# Altium PCB PCB1.PcbDoc
Units mm, origin at the board's own origin, x right, y up, seen from the top; angles counter-clockwise.
Board outline 199.9 x 149.99 mm, 2 copper layers (Top Layer, Bottom Layer); 61 components, 76 nets, 331 pads, 64 vias.
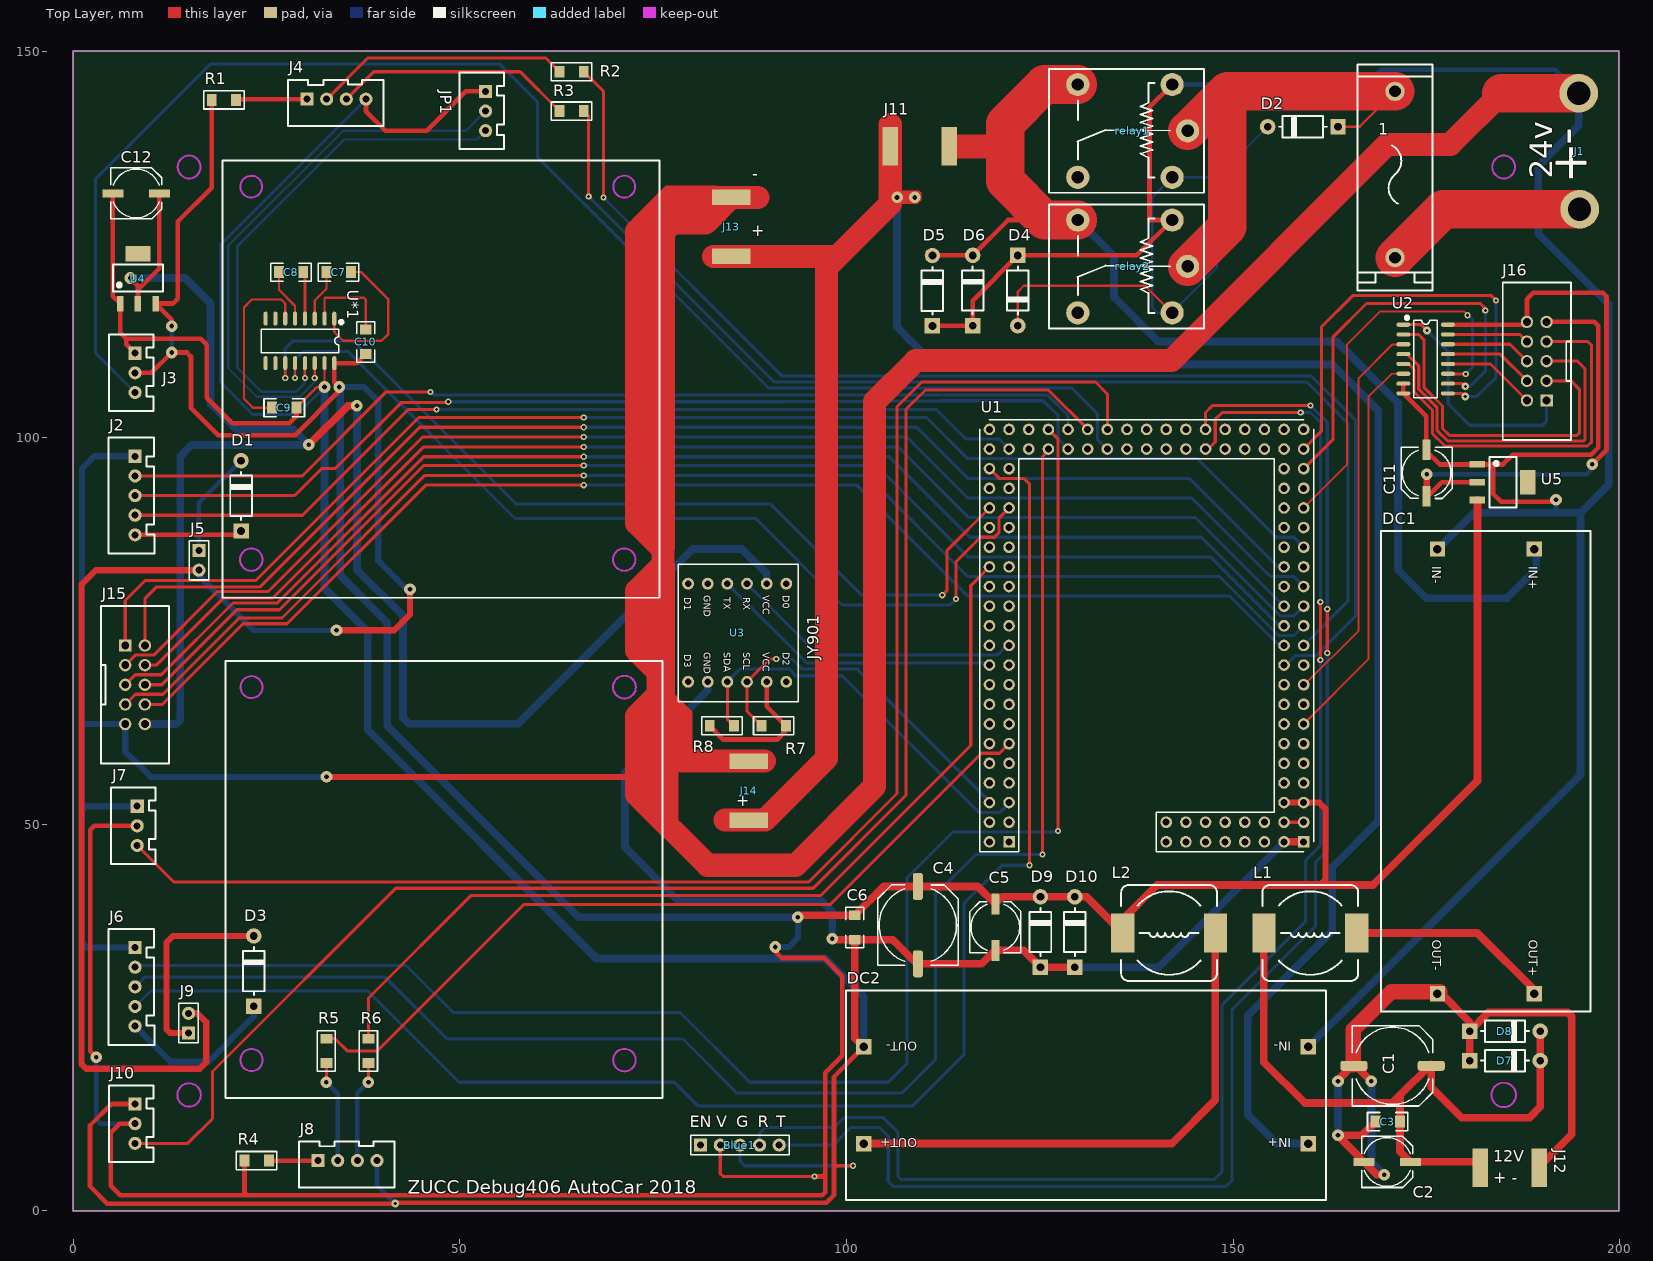
[diagram p0: Top Layer view]
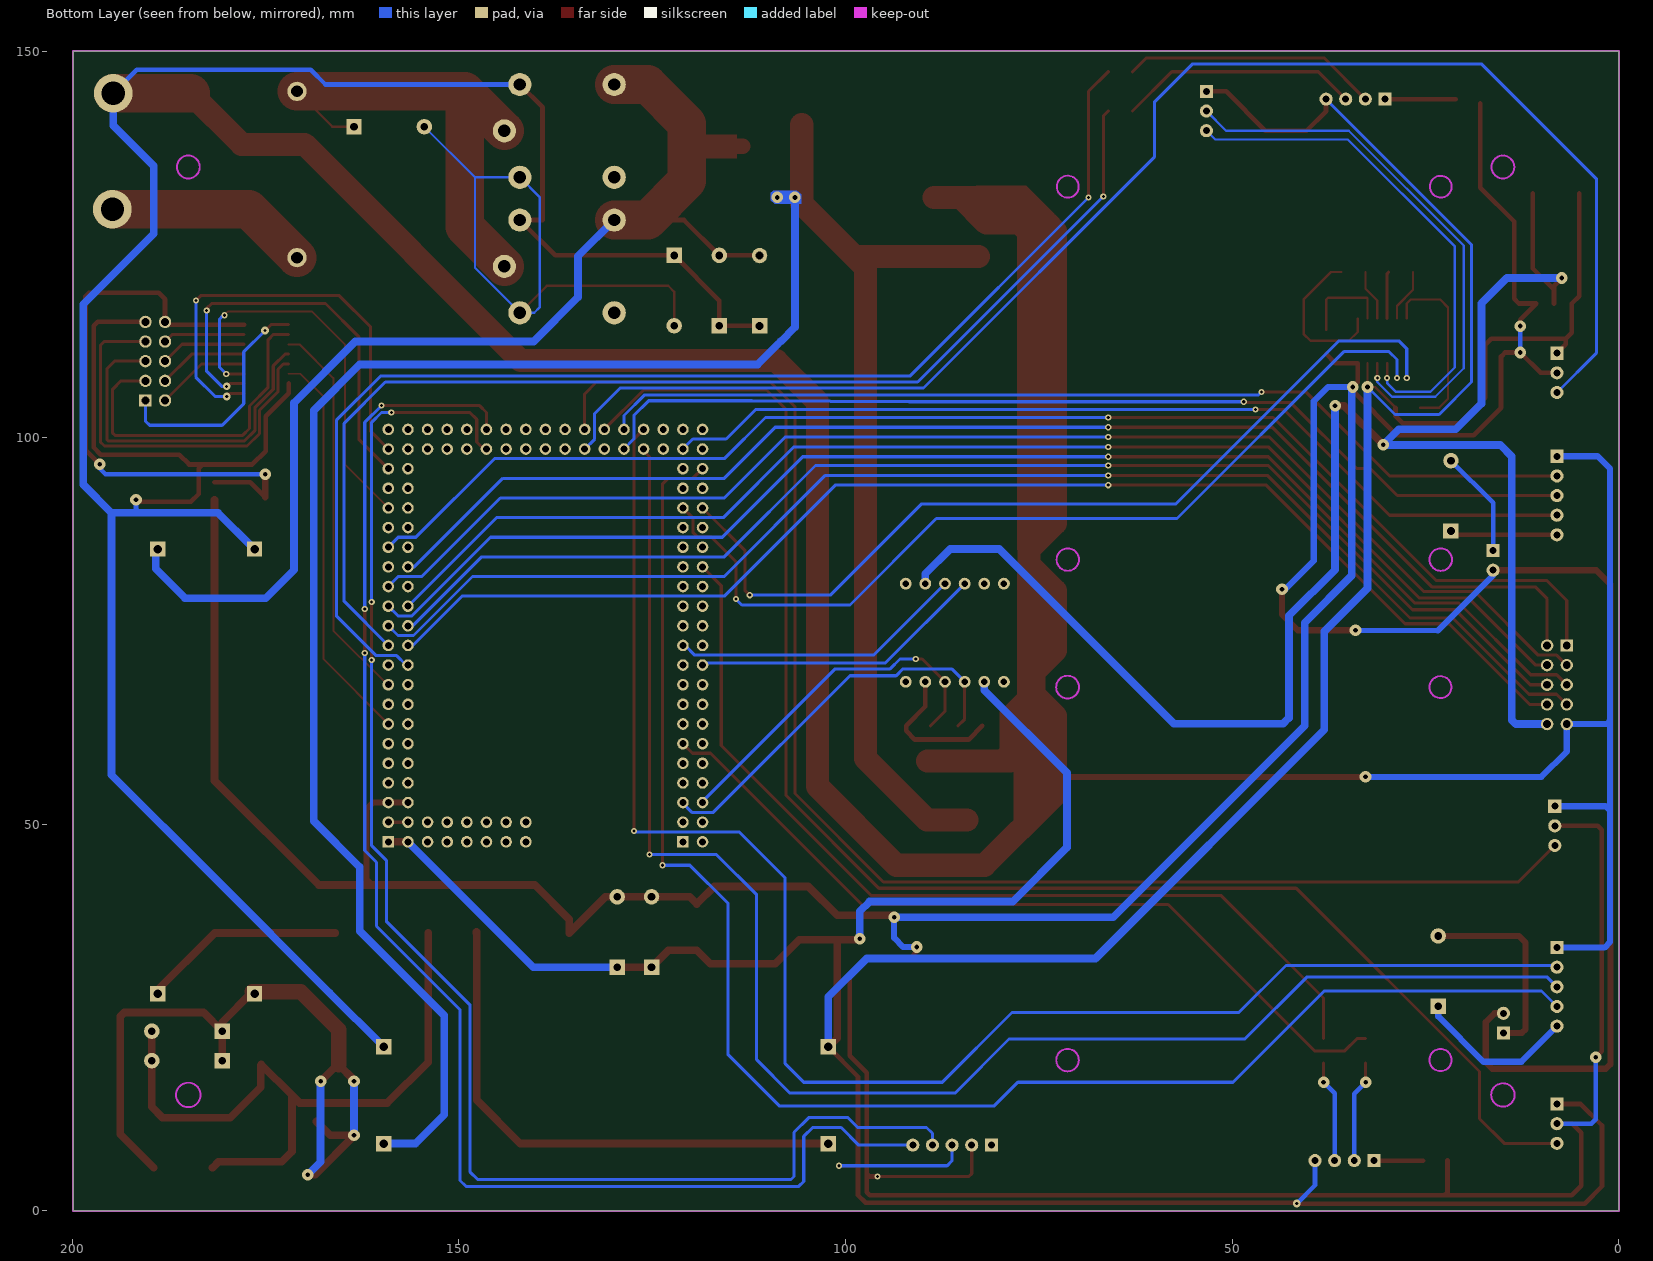
[diagram p1: Bottom Layer view, seen from below]

## Layer stack, top to bottom
Top Solder: solder mask 0.0102, Solder Resist, Dk 3.5
Top Layer: signal copper 0.0356
Dielectric 1: dielectric 0.32, FR-4, Dk 4.8
Bottom Layer: signal copper 0.0356
Bottom Solder: solder mask 0.0102, Solder Resist, Dk 3.5

## Board outline
0,0 199.898,0 199.898,149.987 0,149.987

## Design rules (kind name [scope] priority, off if disabled: settings)
Clearance Clearance_5 [InNamedPolygon('NONET_L01_P020')] p1: gap=0.4
Clearance Clearance_4 [InNamedPolygon('NONET_L02_P018')] p2: gap=0.4
Clearance [All] p3: gap=0.2
HoleSize [All] p1: absolutevalues=TRUE maxlimit=6.35 minlimit=0.3 maxpercent=80.000 minpercent=20.000
HoleToHoleClearance [All] p1: gap=0.2 allowstackedmicrovias=TRUE
MinimumSolderMaskSliver [All] p1: minsoldermaskwidth=0.2
PolygonConnect [All] p1: connectstyle=Relief reliefconductorwidth=0.254 reliefentries=4 polygonreliefangle="90 Angle" airgapwidth=0.254
RoutingCorners [All] p1: cornerstyle=45-Degree minsetback=0.2 maxsetback=0.2
RoutingVias [All] p1: holewidth=0.85 width=1.5 viastyle="Through Hole" minholewidth=0.3 minwidth=0.6 maxholewidth=6.3 maxwidth=7
SilkToSilkClearance [All] p1: silktosilkclearance=0.15
SilkToSolderMaskClearance [IsPad] p1: minsilkscreentomaskgap=0.2 clearancetoexposedcopper=TRUE
SolderMaskExpansion [All] p1: expansion=0.15
Width [All] p1: maxlimit=10 minlimit=0.15 preferedwidth=0.254
24 further rules are at their usual default settings.

## Components (designator, comment, footprint, x,y, rotation, side; value= is the part's Value field where it differs from the comment)
1 "" "FU BLX-A" 170.942,134.03 r90 top
Blue1 "J？" HDR2.54-M-LI-5P 86.233,8.509 r0 top
C1 "470UF" CAP10 170.63,18.77 r180 top
C2 "10UF" CAP6.3 169.93,6.33 r180 top
C3 "104" 1206C 170.002,11.557 r180 top
C4 "470UF" CAP10 109.24,36.96 r270 top
C5 "10UF" CAP6.3 119.27,36.68 r270 top
C6 "104" 1206C 101.092,36.652 r270 top
C7 "105" 1206C 34.341,121.412 r180 top
C8 "105" 1206C 28.194,121.412 r180 top
C9 "105" 1206C 27.305,103.886 r0 top
C10 "105" 1206C 37.846,112.395 r270 top
C11 "10UF" CAP6.3 175.03,95.43 r90 top
C12 "10UF" CAP6.3 8.15,131.58 r180 top
D1 "IN5819" DO-41 21.717,92.478 r90 top
D2 "1N4007" DO-41 159.026,140.208 r180 top
D3 "IN5819" DO-41 23.368,31.01 r90 top
D4 "1N4007" DO-41 122.174,119.021 r270 top
D5 "1N4750-27v" DO-41 111.125,118.999 r90 top
D6 "1N4750-27v" DO-41 116.332,119.021 r90 top
D7 "1N4744-15v" DO-41 185.166,19.431 r0 top
D8 "1N4744-15v" DO-41 185.166,23.241 r0 top
D9 "1N4734-5.6v" DO-41 125.095,36.068 r90 top
D10 "1N4734-5.6v" DO-41 129.54,36.068 r90 top
DC1 "DC_DC降压模块" DC_DC降压模块 182.49,57.05 r270 top
DC2 "DC_DC降压模块" DC_DC降压模块 131.185,15.159 r180 top
J1 "" AUTOCAR_BATTERY 194.818,137.033 r90 top
J2 "驱动板接口A（右）" XH2.54-LI-5P 8.01,92.51 r270 top
J3 "舵机接口-右" XH2.54-LI-3P 8.01,108.38 r270 top
J4 "编码器接口-A（右）" XH2.54-LI-4P 34.06,143.78 r0 top
J5 "短路帽-2.54mm" HDR2.54-LI-2P 16.27,84.13 r270 top
J6 "驱动板接口B" XH2.54-LI-5P 8.01,28.98 r270 top
J7 "舵机接口-头" XH2.54-LI-3P 8.29,49.8 r270 top
J8 "编码器接口-B" XH2.54-LI-4P 35.49,6.51 r0 top
J9 "短路帽-2.54mm" HDR2.54-LI-2P 14.93,24.29 r90 top
J10 "舵机接口-左" XH2.54-LI-3P 8.01,11.28 r270 top
J11 "通用接口" 通用接口 109.474,137.668 r180 top locked
J12 "通用接口" 通用接口 185.801,5.588 r0 top
J13 "驱动板接口A" 通用接口 85.09,127.254 r90 top locked
J14 "驱动板接口B" 通用接口 87.376,54.356 r90 top
J15 "灰度传感器底座" DC-2.54-L-Z-10P 8.01,68.04 r270 top
J16 "灰度传感器底座" DC-2.54-L-Z-10P 189.28,109.89 r90 top locked
JP1 "RS232_1" XH2.54-LI-3P 53.34,142.24 r270 top
L1 "68uH" CDRH127 159.989,35.941 r180 top
L2 "68uH" CDRH127 141.732,35.941 r180 top
R1 "330" 1206R 19.51,143.67 r180 top
R2 "330" 1206R 64.465,147.32 r0 top
R3 "330" 1206R 64.465,142.24 r0 top
R4 "330" 1206R 23.74,6.52 r180 top
R5 "330" 1206R 32.75,20.7 r90 top
R6 "330" 1206R 38.19,20.7 r90 top
R7 "4K7" 1206R 90.602,62.738 r0 top
R8 "4K7" 1206R 83.896,62.738 r180 top
relay1 "SDR-24V继电器" SRD-C_B 142.121,133.669 r180 top
relay2 "SDR-24V继电器" SRD-C_B 142.121,116.143 r180 top
U1 "MCU1" 核心板底座 162.315,44.555 r90 top locked
U2 "CD4051" CD4051 174.91,110.17 r0 top
U3 "JY-901底座" JY901_过孔 86.233,75 r270 top
U4 "LM1117_3.3V" ASM1117_3.3V 8.38,120.625 r0 top
U5 "LM1117_3.3V" ASM1117_3.3V 184.912,94.234 r270 top
U*1 "MAX232" MAX232 29.337,112.522 r270 top

## Footprints (in the part's own frame and the unit in brackets; to place one, negate y for a bottom-side part, rotate by r counter-clockwise, add the part's x,y. Pads: shape width x height; smd on the part's side, far side on the other; paste and mask are expansions set on the pad)
1206C [mil] "3.2mmx1.6mm（蒜米工坊）"
  rect 50x60 smd: 1(-62,0) 2(62,0)
  silkscreen extent -103,-46 103,46, body extent -64,-32 62,31, height 24
1206R [mil]
  rect 50x60 smd: 1(-62,0) 2(62,0)
  silkscreen extent -103,-46 103,46, body extent -64,-32 62,31, height 24
ASM1117_3.3V [mm] "6.4x7x1.6mm(长宽高)"
  rect 0.85x2 smd: 1(-2.3,-3.302) 2(0,-3.302) 3(2.3,-3.302)
  rect 3.2x2 smd: 5(0,3.175)
  silkscreen extent -3.25,-1.75 3.25,1.75, body extent -3.25,-3.51 3.25,3.51, height 1.65
AUTOCAR_BATTERY [mm] "24v电池接口"
  round 5 hole 3: 0(-7.5,0) 1(7.5,0.1)
  Top Layer lines w5: 7.5,10.1 7.5,0.1 ; -7.5,10 -7.5,0
CAP6.3 [mm] "直径6.3mm（蒜米工坊）"
  rect 2.7x1 smd: 1(-3,0) 2(3,0)
  silkscreen extent -3.3,-3.3 3.3,3.3, body extent -3.5,-3.3 3.5,3.3, height 5.2
CAP10 [mm] "直径10mm（蒜米工坊）"
  rrect50% 3.5x1.3 smd: 1(-5,0) 2(5,0)
  silkscreen extent -5.2,-5.2 5.2,5.2, body extent -5.77,-5.12 5.83,5.18, height 10.21
CD4051 [mm] "10.3*6.2*1.8mm（长宽高）"
  oval 1.8x0.55 smd: 1(-2.877,4.445) 2(-2.877,3.175) 3(-2.877,1.905) 4(-2.877,0.635) 5(-2.877,-0.635) 6(-2.877,-1.905) 7(-2.877,-3.175) 8(-2.877,-4.445) 9(2.877,-4.445) 10(2.877,-3.175) 11(2.877,-1.905) 12(2.877,-0.635) 13(2.877,0.635) 14(2.877,1.905) 15(2.877,3.175) 16(2.877,4.445)
  silkscreen extent -2.57,-5 1.52,5.49, body extent -3,-5 3,5, height 1.9
CDRH127 [mm] "12*12*8mm（长宽高）"
  rect 3x5 smd: 1(-6,0) 2(6,0)
  silkscreen extent -6.2,-6.2 6.2,6.2, body extent -6,-6 6,6, height 7.8
DC-2.54-L-Z-10P [mm] "立式直插简牛插座，间距2.54（蒜米工坊）"
  rect 1.6x1.6 hole 1.02: 1(-5.08,-1.27)
  round 1.6 hole 1.02: 2(-5.08,1.27) 3(-2.54,-1.27) 4(-2.54,1.27) 5(0,-1.27) 6(0,1.27) 7(2.54,-1.27) 8(2.54,1.27) 9(5.08,-1.27) 10(5.08,1.27)
  silkscreen extent -10.18,-4.4 10.18,4.4, body extent -10.18,-4.4 10.17,4.7, height 8.8
DC_DC降压模块 [mm] "5A最高"
  rect 2x2 hole 1.1: 0(-28.55,6.45) 1(-28.55,-6.05) 2(28.95,6.45) 3(28.95,-6.05)
  silkscreen extent -30.86,-13.34 31.24,13.72
DO-41 [mm] "2.6*9.1mm(直径，脚距）"
  rect 2x2 hole 1: 1(-4.55,0)
  round 2 hole 1: 2(4.55,0)
  silkscreen extent -3.1,-1.4 3.1,1.4, body extent -4.92,-1.29 4.98,1.31, height 2.65
"FU BLX-A" [mm] "BLX-A型保险丝座"
  round 2.5 hole 1.5: 1(-10.75,0) 2(10.75,0)
  silkscreen extent -14.99,-4.83 14.22,4.83, body extent -15.05,-4.75 14.3,4.75, height 13.9
HDR2.54-LI-2P [mm] "排针，2脚"
  rect 1.7x1.7 hole 0.9: 1(-1.27,0)
  round 1.7 hole 0.9: 2(1.27,0)
  silkscreen extent -2.54,-1.27 2.54,1.27, body extent -2.54,-1.27 2.54,1.27, height 8.5
HDR2.54-M-LI-5P [mm] "排母，5脚"
  rect 1.7x1.7 hole 0.9: 1(-5.08,0)
  round 1.7 hole 0.9: 2(-2.54,0) 3(0,0) 4(2.54,0) 5(5.08,0)
  silkscreen extent -6.35,-1.27 6.35,1.27, body extent -6.35,-1.27 6.35,1.27, height 8.5
JY901_过孔 [mil]
  round 60 hole 33.46: 1(-241,236) 2(-241,136) 3(-241,36) 4(-241,-64) 5(-241,-164) 6(-241,-264) 7(259,-264) 8(259,-164) 9(259,-64) 10(259,36) 11(259,136) 12(259,236)
  silkscreen extent -341,-315 360,297
MAX232 [mm]
  oval 1.8x0.55 smd: 1(-2.877,4.445) 2(-2.877,3.175) 3(-2.877,1.905) 4(-2.877,0.635) 5(-2.877,-0.635) 6(-2.877,-1.905) 7(-2.877,-3.175) 8(-2.877,-4.445) 9(2.877,-4.445) 10(2.877,-3.175) 11(2.877,-1.905) 12(2.877,-0.635) 13(2.877,0.635) 14(2.877,1.905) 15(2.877,3.175) 16(2.877,4.445)
  silkscreen extent -2.57,-5 1.52,5.49, body extent -3,-5 3,5, height 1.9
SRD-C_B [mm] "单刀双投"
  round 3 hole 1.6: 1(0,0) 2(0,-12) 3(-2,-6) 4(12.2,0) 5(12.2,-12)
  silkscreen extent -4.1,-14 15.9,2, body extent -3.4,-13.75 15.7,1.75, height 15.6
XH2.54-LI-3P [mm] "接插件，3P"
  rect 1.7x1.7 hole 0.9: 1(-2.54,0)
  round 1.7 hole 0.9: 2(0,0) 3(2.54,0)
  silkscreen extent -4.95,-3.38 4.93,2.39, body extent -5.04,-3.3 5.04,2.4, height 7.03
XH2.54-LI-4P [mm] "接插件，4P"
  rect 1.7x1.7 hole 0.9: 1(-3.81,0)
  round 1.7 hole 0.9: 2(-1.27,0) 3(1.27,0) 4(3.81,0)
  silkscreen extent -6.3,-3.45 6.07,2.49, body extent -6.31,-3.3 6.31,2.4, height 7.03
XH2.54-LI-5P [mm] "接插件，5P"
  rect 1.7x1.7 hole 0.9: 1(-5.08,0)
  round 1.7 hole 0.9: 2(-2.54,0) 3(0,0) 4(2.54,0) 5(5.08,0)
  silkscreen extent -7.48,-3.45 7.52,2.49, body extent -7.58,-3.3 7.58,2.4, height 7.03
核心板底座 [mm]
  rect 1.5x1.5 hole 0.9: 1(3.175,41.275) 114(3.175,3.175)
  round 1.5 hole 0.9: 2(3.175,43.815) 3(5.715,41.275) 4(5.715,43.815) 5(8.255,41.275) 6(8.255,43.815) 7(10.795,41.275) 8(10.795,43.815) 9(13.335,41.275) 10(13.335,43.815) 11(15.875,41.275) 12(15.875,43.815) 13(18.415,41.275) 14(18.415,43.815) 15(20.955,41.275) 16(20.955,43.815) 17(23.495,41.275) 18(23.495,43.815) 19(26.035,41.275) 20(26.035,43.815) 21(28.575,41.275) 22(28.575,43.815) 23(31.115,41.275) 24(31.115,43.815) 25(33.655,41.275) 26(33.655,43.815) 27(36.195,41.275) 28(36.195,43.815) 29(38.735,41.275) 30(38.735,43.815) 31(41.275,41.275) 32(41.275,43.815) 33(43.815,41.275) 34(43.815,43.815) 35(46.355,41.275) 36(46.355,43.815) 37(48.895,41.275) 38(48.895,43.815) 39(51.435,41.275) 40(51.435,43.815) 41(53.975,41.275) 42(53.975,43.815) 43(56.515,41.275) 44(56.515,43.815) 45(53.975,38.735) 46(56.515,38.735) 47(53.975,36.195) 48(56.515,36.195) 49(53.975,33.655) 50(56.515,33.655) 51(53.975,31.115) 52(56.515,31.115) 53(53.975,28.575) 54(56.515,28.575) 55(53.975,26.035) 56(56.515,26.035) 57(53.975,23.495) 58(56.515,23.495) 59(53.975,20.955) 60(56.515,20.955) 61(53.975,18.415) 62(56.515,18.415) 63(53.975,15.875) 64(56.515,15.875) 65(53.975,13.335) 66(56.515,13.335) 67(53.975,10.795) 68(56.515,10.795) 69(53.975,8.255) 70(56.515,8.255) 71(56.515,5.715) 72(56.515,3.175) 73(53.975,5.715) 74(53.975,3.175) 75(51.435,5.715) 76(51.435,3.175) 77(48.895,5.715) 78(48.895,3.175) 79(46.355,5.715) 80(46.355,3.175) 81(43.815,5.715) 82(43.815,3.175) 83(41.275,5.715) 84(41.275,3.175) 85(38.735,5.715) 86(38.735,3.175) 87(36.195,5.715) 88(36.195,3.175) 89(33.655,5.715) 90(33.655,3.175) 91(31.115,5.715) 92(31.115,3.175) 93(28.575,5.715) 94(28.575,3.175) 95(26.035,5.715) 96(26.035,3.175) 97(23.495,5.715) 98(23.495,3.175) 99(20.955,5.715) 100(20.955,3.175) 101(18.415,5.715) 102(18.415,3.175) 103(15.875,5.715) 104(15.875,3.175) 105(13.335,5.715) 106(13.335,3.175) 107(10.795,5.715) 108(10.795,3.175) 109(8.255,5.715) 110(8.255,3.175) 111(5.715,5.715) 112(5.715,3.175) 113(3.175,5.715) 115(5.715,8.255) 116(3.175,8.255) 117(5.715,10.795) 118(3.175,10.795) 119(5.715,13.335) 120(3.175,13.335) 121(5.715,15.875) 122(3.175,15.875) 123(5.715,18.415) 124(3.175,18.415) 125(5.715,20.955) 126(3.175,20.955)
  silkscreen extent 1.9,1.91 57.78,45.09
通用接口 [mm]
  rect 2x5 smd: 1(-3.81,0) 2(3.81,0)

## Part data
1: library part 保险座
Blue1: library part BlueTooth_net
C1 C4: library part CAP_SMT_5, "SMT 10mm"
C2 C5 C11 C12: library part CAP_SMT_3, "SMT 6.3mm"
C3 C6 C7 C8 C9 C10: library part CC_SMT_4, "SMT1206"
D1 D3: "1A-40V肖特基"
D2 D4: library part 1N4007-DIP, "Regulator"
D5 D6 D7 D8 D9 D10: library part 稳压二极管
DC1 DC2: library part 5A_DC_DC降压模块
J1: library part autocar_battery, "智能车24v电池连接端口"
J2 J6: library part 驱动板接口
J3 J7 J10: library part 舵机接口
J4 J8: library part 编码器接口
J13 J14: library part 通用接口
JP1: library part XH2.54_3Pins-DIP, "White Small"
L1 L2: library part PowerShielded-L-SMT, "PowerShieldedInductorSet"
R1 R2 R3 R4 R5 R6: library part 电阻-1206, "1206"
R7 R8: library part SMT1206, "SMT_1206"
U1: library part 核心板插座
U3: "高精度9轴传感器"
U4 U5: library part ASM1117_3.3V

## Via types
v1: diameter 0.8, hole 0.4, Top Layer to Bottom Layer, tented both sides, 35 vias
v2: diameter 1.5, hole 0.6, Top Layer to Bottom Layer, tented both sides, 25 vias
v3: diameter 1, hole 0.4, Top Layer to Bottom Layer, tented both sides, 4 vias

## Nets (pads, with @x,y where several pads share a name; then routed paths per layer and width w, separated by ;. In a path a pad name is that pad's centre, name@x,y a point inside that pad or via, vN(x,y) a via of type N, cw(c..) or ccw(c..) an arc to the next point about the centre after c; other vN are vias at no path point)
3.3V-MCU: U1.111 U1.112 | length 2.5
  Top Layer w0.4: U1.111 U1.112
BAT_IN: 1.1 J1.0 | length 16.5
  Top Layer w5: 1.1 177.195,129.533 184.818,129.533
BLUE_RX: Blue1.4 U1.63 | length 190.5
  Top Layer w0.4: U1.63 146.79,98.53 147.701,99.441 147.701,102.362 148.59,103.251 v1(158.75,103.251) ; v1(161.29,71.247) v1(161.29,78.74)
  Bottom Layer w0.4: Blue1.4 88.773,10.033 89.535,10.795 98.425,10.795 99.695,12.065 104.775,12.065 106.68,10.16 106.68,4.445 107.061,4.064 147.574,4.064 148.59,5.08 148.59,26.67 159.385,37.465 159.385,45.339 161.29,47.244 v1(161.29,71.247) ; v1(158.75,103.251) 160.02,103.251 161.29,101.981 v1(161.29,78.74)
BLUE_TX: Blue1.5 U1.64 | length 188.7
  Top Layer w0.4: U1.64 146.44,103.26 147.32,104.14 v1(160.02,104.14) ; v1(162.179,72.136) v1(162.179,77.851)
  Bottom Layer w0.4: Blue1.5 98.298,8.509 100.584,10.795 104.267,10.795 105.41,9.652 105.41,3.81 106.045,3.175 149.098,3.175 149.86,3.937 149.86,26.035 160.655,36.83 160.655,45.085 162.179,46.609 v1(162.179,72.136) ; v1(160.02,104.14) 162.179,101.981 v1(162.179,77.851)
CODERA-1: R2.2 U1.95 | length 163.7
  Top Layer w0.4: R2.2 68.58,144.78 v1(68.58,131.064)
  Bottom Layer w0.4: v1(68.58,131.064) 91.694,107.95 160.147,107.95 165.862,102.235 165.862,76.962 160.71,71.81 158.06,71.81 156.84,70.59 U1.95
CODERA-2: R3.2 U1.94 | length 152.7
  Top Layer w0.4: R3.2 66.675,141.605 v1(66.675,131.191)
  Bottom Layer w0.4: v1(66.675,131.191) 90.678,107.188 159.512,107.188 164.846,101.854 164.846,78.836 U1.94
CODERB-1: R5.2 U1.11 | length 105.4
  Top Layer w0.4: R5.2 33.859,22.275 35.433,20.701 39.37,20.701 58.293,39.624 97.917,39.624 117.475,59.182 119.792,59.182 U1.11
CODERB-2: R6.2 U1.30 | length 120.8
  Top Layer w0.4: R6.2 38.19,27.538 51.419,40.767 96.647,40.767 116.078,60.198 116.078,80.868 U1.30
GND: C11.2 D4.1 D5.1 D6.1 DC1.1 DC2.1 J1.1 J2.1 J6.1 J7.1 J13.2 J14.2 J15.9 J16.9 relay1.2 relay2.2 U2.7 U2.8 U5.1 | length 817.3
  Top Layer w0.4: D6.1@116.31,114.449 D6.1
  Top Layer w0.6: D5.1 D6.1@116.31,114.449 ; D6.1 116.332,117.729 D4.1 137.549,123.571 relay2.2 139.192,128.143 139.192,142.74 relay1.2 ; U2.7 U2.8 175.006,102.752 175.006,98.25 176.722,96.534 U5.1 183.12,96.534 ; J16.9 190.56,114.98 196.72,114.98 197.25,114.45 197.25,98.73 196.33,97.81 186.18,97.81 184.904,96.534 183.12,96.534 ; v2(191.77,91.948) 191.516,91.694 184.658,91.694 183.642,92.71 183.642,96.012 183.12,96.534
  Top Layer w0.8: v2(32.766,56.134) 72.882,56.134 72.898,56.15 73.136,56.15 72.898,56.388 72.644,56.642 ; 72.898,56.642 72.644,56.642 ; 72.644,56.642 72.208,57.078 71.772,56.642 72.644,56.642
  Top Layer w3: J13.2@83.11,131.064 J13.2 ; 88.54,131.064 J13.2 ; J14.2@89.408,58.166 J14.2 78.74,58.166 72.898,64.008 ; 184.718,144.533 178.107,137.922 169.972,137.922 142.02,109.97 108.954,109.97 103.632,104.648 103.632,54.912 93.424,44.704 82.042,44.704 72.898,53.848 72.898,56.15 72.898,56.388 72.898,56.642 72.898,64.008 ; 72.898,64.008 75.64,66.75 75.64,69.73 72.898,72.472 72.898,80.21 76.29,83.602 76.29,85.528 72.898,88.92 72.898,126.708 73.952,127.762 81.788,127.762 J13.2
  Bottom Layer w0.6: relay1.2 167.259,145.669 169.164,147.574 191.677,147.574 J1.1 ; 191.262,90.297 191.77,90.805 v2(191.77,91.948)
  Bottom Layer w0.8: J6.1 1.85,34.06 1.13,34.78 1.13,51.75 ; J2.1 2.75,97.59 1.13,95.97 1.13,63.43 ; J7.1 1.72,52.34 1.13,51.75 ; v2(32.766,56.134) 10.016,56.134 6.74,59.41 J15.9 1.6,62.96 1.13,63.43 ; 1.13,51.75 1.13,63.43
  Bottom Layer w1: DC2.1 166.751,28.225 181.709,43.183 194.945,56.419 194.945,90.297 ; DC1.1@176.703,85.827 181.173,90.297 191.262,90.297 194.945,90.297 ; J1.1 194.718,140.362 189.484,135.128 189.484,126.365 198.59,117.259 198.59,93.942 194.945,90.297
GND_5V: Blue1.3 C4.2 C5.2 C6.2 C9.2 C12.2 D9.1 D10.1 DC2.3 J3.1 J4.4 J8.4 J10.1 JP1.1 U1.113 U1.114 U3.8 U4.1 U*1.15 | length 578.2
  Top Layer w0.3: C9.2 31.547,106.553 v2(32.512,106.553) U*1.15
  Top Layer w0.4: 98.4,6.223 98.781,5.842 v1(100.838,5.842)
  Top Layer w0.6: C12.2@5.128,131.572 5.128,118.302 6.082,117.348 6.082,113.552 6.858,112.776 ; J10.1 4.95,13.82 2.18,11.05 2.18,3.17 4.4,0.95 v3(41.66,0.95) 41.75,1.04 97.42,1.04 98.4,2.02 98.4,6.223 98.4,17.374 DC2.3 ; J3.1 6.858,112.072 6.858,112.776 ; C9.2 28.88,102.794 27.94,101.854 20.574,101.854 17.272,105.156 17.272,112.014 16.51,112.776 6.858,112.776 ; J4.4 37.87,142.23 40.4,139.7 45.72,139.7 50.8,144.78 JP1.1
  Top Layer w1: v2@98.298,35.077 C6.2 ; DC2.3 101.092,22.352 C6.2 ; D10.1 D9.1 122.91,33.703 119.253,33.703 117.507,31.957 109.093,31.957 105.973,35.077 C6.2 ; U1.113 U1.114
  Bottom Layer w0.4: v2(32.512,106.553) 28.956,102.997 23.241,102.997 19.05,107.188 19.05,124.96 J4.4 ; Blue1.3 86.233,6.477 86.868,5.842 v1(100.838,5.842)
  Bottom Layer w0.6: J8.4 39.3,3.31 v3(41.66,0.95)
  Bottom Layer w1: v2(32.512,106.553) 32.512,80.518 38.1,74.93 38.1,62.23 67.691,32.639 97.282,32.639 102.235,27.686 DC2.3 ; U3.8 82.067,67.355 71.374,56.662 71.374,47.01 78.379,40.005 96.901,40.005 98.171,38.735 v2(98.171,35.179) ; D10.1 140.388,31.518 U1.113
GND_12V: C1.2 C2.2 C3.2 D7.1 D8.1 DC1.3 J12.2 | length 103.6
  Top Layer w1: v2(163.576,16.764) 163.576,16.938 165.561,18.923 165.735,18.923 v2(167.894,16.764) ; C3.2 166.649,9.779 v2(163.576,9.779) 163.576,9.7 168.577,4.699 v2(169.545,4.699) ; DC1.3@176.703,28.327 180.616,24.414 D8.1 ; D7.1 D8.1 ; J12.2@189.484,5.588 193.802,9.906 193.802,25.146 193.294,25.654 183.029,25.654 D8.1
  Top Layer w2: C1.2@165.561,18.923 165.561,23.448 170.44,28.327 DC1.3@176.703,28.327
  Bottom Layer w1: v2(163.576,9.779) v2(163.576,16.764) ; v2(167.894,16.764) 167.894,6.35 v2(169.545,4.699)
GREYA-1: J15.8 U1.93 | length 167.6
  Top Layer w0.4: J15.8 11.54,65.5 21.97,75.93 27.67,75.93 45.593,93.853 v1(66.04,93.853)
  Bottom Layer w0.4: v1(66.04,93.853) 101.346,93.853 115.697,79.502 149.606,79.502 155.978,73.13 U1.93
GREYA-2: J15.7 U1.92 | length 174.2
  Top Layer w0.4: J15.7@7.17,65.5 J15.7 8.06,66.82 11.62,66.82 21.48,76.68 27.023,76.68 45.466,95.123 v1(66.04,95.123)
  Bottom Layer w0.4: v1(66.04,95.123) 102.616,95.123 115.697,82.042 148.259,82.042 155.879,74.422 157.892,74.422 U1.92
GREYA-3: J15.6 U1.91 | length 167.6
  Top Layer w0.4: J15.6 11.46,68.04 21.16,77.74 26.686,77.74 45.339,96.393 v1(66.04,96.393)
  Bottom Layer w0.4: v1(66.04,96.393) 103.886,96.393 115.697,84.582 147.066,84.582 155.978,75.67 U1.91
GREYA-4: J15.5 U1.90 | length 174.5
  Top Layer w0.4: J15.5@7.13,68.04 J15.5 8.042,69.342 11.412,69.342 20.68,78.61 26.413,78.61 45.339,97.536 v1(66.04,97.536) ; U1.90 U1.90@159.62,78.21
  Bottom Layer w0.4: v1(66.04,97.536) 105.537,97.536 115.951,87.122 145.923,87.122 156.083,76.962 157.892,76.962 U1.90
GREYA-5: J15.4 U1.89 | length 167.5
  Top Layer w0.4: J15.4 10.763,70.58 19.431,79.248 25.781,79.248 45.339,98.806 v1(66.04,98.806)
  Bottom Layer w0.4: v1(66.04,98.806) 106.68,98.806 115.824,89.662 145.148,89.662 U1.89
GREYA-6: J15.3 U1.88 | length 173.1
  Top Layer w0.4: J15.3@6.96,70.58 J15.3 8.042,71.882 10.442,71.882 18.66,80.1 25.236,80.1 45.212,100.076 v1(66.04,100.076) ; U1.88 U1.88@159.38,80.75
  Bottom Layer w0.4: v1(66.04,100.076) 107.823,100.076 115.697,92.202 144.653,92.202 154.813,82.042 157.848,82.042 U1.88
GREYA-7: J15.2 U1.85 | length 170.4
  Top Layer w0.4: J15.2 9.28,79.16 10.82,80.7 24.185,80.7 44.831,101.346 v1(66.04,101.346) ; U1.85 U1.85@156.97,83.29
  Bottom Layer w0.4: v1(66.04,101.346) 109.093,101.346 115.697,94.742 144.318,94.742 155.77,83.29 U1.85
GREYA-8: J15.1 U1.84 | length 175.2
  Top Layer w0.4: J15.1 6.74,78.94 9.334,81.534 23.622,81.534 44.704,102.616 v1(66.04,102.616)
  Bottom Layer w0.4: v1(66.04,102.616) 110.363,102.616 115.697,97.282 145.415,97.282 155.575,87.122 157.848,87.122 U1.84 U1.84@158.93,85.83
JY901_RX: U1.20 U3.4 | length 38.3
  Bottom Layer w0.4: U3.4 94.863,70.866 118.224,70.866 U1.20
JY901_SCL: R7.1 U1.6 U3.10 | length 46.8
  Top Layer w0.4: R7.1 87.147,64.618 U3.10 90.1,71.374 v1(90.932,71.374)
  Bottom Layer w0.4: v1(90.932,71.374) 92.964,71.374 94.234,70.104 101.346,70.104 U1.6@118.618,52.832
JY901_SDA: R8.1 U1.5 U3.9 | length 51.5
  Top Layer w0.4: U3.9 84.607,63.602 R8.1
  Bottom Layer w0.4: U3.9 86.29,70.104 92.583,70.104 93.472,69.215 99.441,69.215 117.106,51.55 119.876,51.55 U1.5@121.158,52.832
JY901_TX: U1.21 U3.3 | length 38.2
  Bottom Layer w0.254: U1.21@120.755,73.13 U1.21
  Bottom Layer w0.4: U3.3 96.387,71.882 119.507,71.882 U1.21@120.755,73.13
"LEFT MOTOR ENABLE-1": J6.3 U1.47 | length 202.1
  Top Layer w0.4: v1(125.349,46.101) 125.349,97.505 126.12,98.276 U1.47
  Bottom Layer w0.4: J6.3 9.256,30.226 40.386,30.226 48.387,22.225 78.867,22.225 85.852,15.24 107.188,15.24 111.506,19.558 111.506,40.894 116.713,46.101 v1(125.349,46.101)
"LEFT MOTOR ENABLE-2": J6.2 U1.48 | length 205.7
  Top Layer w0.4: U1.48 127.381,99.809 v1(127.381,49.149)
  Bottom Layer w0.4: J6.2 8.24,31.75 43.053,31.75 49.149,25.654 78.486,25.654 87.503,16.637 105.41,16.637 107.823,19.05 107.823,43.053 113.792,49.022 127.254,49.022 v1(127.381,49.149)
"LEFT MOTOR_PWM": J6.4 U1.40 | length 202.3
  Top Layer w0.4: U1.40 119.748,94.742 122.936,94.742 123.698,93.98 v1(123.698,44.704)
  Bottom Layer w0.4: J6.4 10.018,28.448 38.1,28.448 49.911,16.637 77.724,16.637 80.772,13.589 108.585,13.589 115.189,20.193 115.189,39.751 120.142,44.704 v1(123.698,44.704)
MCU_AD_EX: U1.98 U2.3 | length 50.2
  Top Layer w0.254: U1.98 159.236,68.05 166.243,75.057 166.243,107.696 170.622,112.075 U2.3
MCU_ADD1: U1.80 U2.11 | length 51.3
  Top Layer w0.254: U1.80 164.719,96.489 164.719,112.014 169.037,116.332 179.832,116.332 v1(180.34,115.824)
  Top Layer w0.4: U2.11 177.822,108.23 v1(180.1,108.23)
  Bottom Layer w0.4: v1(180.1,108.23) 180.975,109.105 180.975,115.316 v1@180.594,115.697
MCU_ADD2: U1.76 U2.10 | length 54
  Top Layer w0.4: U1.76 162.941,99.791 162.941,113.03 167.259,117.348 181.991,117.348 v1@182.626,116.713 ; U2.10 179.685,106.995 v3(180.04,106.64)
  Bottom Layer w0.4: v3(180.04,106.64) 180.681,106.64 182.626,108.585 v1(182.626,116.459)
MCU_ADD3: U1.74 U2.9 | length 58.6
  Top Layer w0.4: U1.74 161.417,100.807 161.417,114.3 165.481,118.364 183.388,118.364 v1(184.023,117.729) ; U2.9 179.625,105.725 v3(180.03,105.32)
  Bottom Layer w0.4: v3(180.03,105.32) 181.52,105.32 184.023,107.823 v1(184.023,117.729)
MCU_EN_CD4051: U1.102 U2.6 | length 51.5
  Top Layer w0.254: U1.102 167.513,71.343 167.513,105.283 170.495,108.265 U2.6
MCU_R1_IN: JP1.3 U*1.13 | length 67.1
  Top Layer w0.3: v1(29.972,107.696) U*1.13
  Bottom Layer w0.3: v1(29.972,107.696) 29.972,107.061 28.829,105.918 24.384,105.918 21.209,109.093 21.209,124.714 35.052,138.557 52.197,138.557 JP1.3
MCU_RI_OUT: U1.35 U*1.12 | length 119.8
  Top Layer w0.3: v1(28.702,107.696) U*1.12
  Top Layer w0.4: v1(114.173,79.121) 114.173,83.947 117.348,87.122 119.126,87.122 119.761,87.757 119.761,89.631 U1.35
  Bottom Layer w0.4: v1(28.702,107.696) 28.702,110.109 29.718,111.125 35.56,111.125 57.15,89.535 88.265,89.535 99.441,78.359 113.411,78.359 v1(114.173,79.121)
MCU_T1_IN: U1.36 U*1.11 | length 118.6
  Top Layer w0.3: v1(27.432,107.696) U*1.11
  Top Layer w0.4: v1(112.395,79.629) 113.03,80.264 113.03,85.44 U1.36
  Bottom Layer w0.4: v1(27.432,107.696) 27.432,111.506 28.448,112.522 36.195,112.522 57.277,91.44 90.17,91.44 101.981,79.629 v1(112.395,79.629)
MCU_T1_OUT: JP1.2 U*1.14 | length 72.3
  Top Layer w0.3: v1(31.242,107.696) U*1.14
  Bottom Layer w0.3: v1(31.242,107.696) 31.242,107.188 29.337,105.283 23.749,105.283 20.066,108.966 20.066,124.841 34.925,139.7 50.8,139.7 JP1.2
Net1_2: 1.2 D2.1 relay1.3 relay2.3 | length 63
  Top Layer w0.3: D2.1 166.37,140.208 1.2
  Top Layer w5: relay2.3 149.232,127.254 149.232,144.78 ; relay1.3 149.232,144.78 ; 1.2 149.232,144.78
NetC7_1: C7.1 U*1.1 | length 20.3
  Top Layer w0.3: U*1.1 33.782,113.665 34.925,112.522 39.878,112.522 40.767,113.411 40.767,117.856 37.211,121.412 C7.1
NetC7_2: C7.2 U*1.3 | length 6.6
  Top Layer w0.3: U*1.3 31.242,117.729 32.766,119.253 C7.2
NetC8_1: C8.1 U*1.4 | length 6.1
  Top Layer w0.4: C8.1 29.972,121.209 U*1.4
NetC8_2: C8.2 U*1.5 | length 6.9
  Top Layer w0.3: C8.2 26.619,119.126 28.702,117.043 U*1.5
NetC9_1: C9.1 U*1.6 | length 23.8
  Top Layer w0.3: C9.1 23.241,103.886 22.098,105.029 22.098,116.84 23.114,117.856 26.924,117.856 27.432,117.348 U*1.6
NetC10_1: C10.1 U*1.2 | length 12
  Top Layer w0.3: U*1.2 32.512,117.983 32.639,118.11 37.592,118.11 37.846,117.856 C10.1
NetD1_1: D1.1 J2.5 | length 13.9
  Top Layer w0.6: J2.5 21.219,87.43 D1.1
NetD1_2: D1.2 J5.1 | length 13.9
  Bottom Layer w0.6: J5.1 16.27,91.581 D1.2
NetD2_2: D2.2 D4.2 relay1.1 relay2.1 | length 81.8
  Top Layer w0.3: D4.2 122.174,118.872 122.936,119.634 138.63,119.634 relay2.1
  Bottom Layer w0.3: D2.2 147.937,133.669 ; 147.937,133.669 147.937,121.959 relay2.1 140.27,116.143 139.573,116.84 139.573,131.121 relay1.1 147.937,133.669
NetD3_1: D3.1 J6.5 | length 21
  Bottom Layer w0.8: J6.5 12.606,19.304 17.526,19.304 23.368,25.146 D3.1
NetD3_2: D3.2 J9.1 | length 25.9
  Top Layer w0.8: J9.1 12.54,23.02 12.065,23.495 12.065,34.671 12.954,35.56 D3.2
NetDC1_2: DC1.2 L1.1 | length 26.4
  Top Layer w1: L1.1 181.589,35.941 DC1.2@189.203,28.327
NetDC2_2: DC2.2 L2.1 | length 69.5
  Top Layer w1: DC2.2 142.059,8.709 147.701,14.351 147.701,35.91 L2.1 L2.1@147.732,36.068
NetJ4_1: J4.1 R1.1 | length 9.2
  Top Layer w0.6: R1.1@21.085,143.78 J4.1
NetJ4_2: J4.2 R2.1 | length 33
  Top Layer w0.4: J4.2 38.1,149.09 61.12,149.09 R2.1
NetJ4_3: J4.3 R3.1 | length 31.1
  Top Layer w0.4: J4.3 38.87,147.32 57.81,147.32 R3.1
NetJ8_1: J8.1 R4.1 | length 6.4
  Top Layer w0.254: R4.1 R4.1@25.325,6.51
  Top Layer w0.6: R4.1@25.325,6.51 J8.1
NetJ8_2: J8.2 R5.1 | length 13.2
  Top Layer w0.4: v2(32.75,16.63) R5.1
  Bottom Layer w0.6: v2(32.75,16.63) 34.22,15.16 J8.2
NetJ8_3: J8.3 R6.1 | length 13.2
  Top Layer w0.4: v2(38.19,16.63) R6.1
  Bottom Layer w0.6: J8.3 36.76,15.2 v2(38.19,16.63)
NetJ16_2: J16.2 U2.12 | length 12.2
  Top Layer w0.4: U2.12 183.285,109.535 J16.2
NetJ16_4: J16.4 U2.13 | length 11.7
  Top Layer w0.4: U2.13 184.555,110.805 J16.4
NetJ16_6: J16.6 U2.14 | length 11.1
  Top Layer w0.4: U2.14 185.825,112.075 J16.6
NetJ16_8: J16.8 U2.15 | length 10.6
  Top Layer w0.4: U2.15 187.095,113.345 J16.8
NETLABEL35: J16.1 U2.1 | length 30.7
  Top Layer w0.4: U2.1 174.315,114.615 v3(175.07,113.86)
  Bottom Layer w0.4: v3(175.07,113.86) 177.83,111.1 177.83,104.4 180.63,101.6 190,101.6 190.55,102.15 J16.1
NETLABEL36: J16.3 U2.2 | length 44
  Top Layer w0.4: U2.2 174.015,113.345 174.68,112.68 174.68,106.51 177.09,104.1 177.09,101.18 177.97,100.3 194.49,100.3 194.78,100.59 194.78,106.27 193.7,107.35 J16.3
NETLABEL37: J16.5 U2.4 | length 46.3
  Top Layer w0.4: U2.4 172.495,110.805 174.02,109.28 174.02,106.26 176.4,103.88 176.4,100.91 177.73,99.58 195.39,99.58 195.51,99.7 195.51,108.93 194.55,109.89 J16.5
NETLABEL38: J16.7 U2.5 | length 51
  Top Layer w0.4: U2.5 172.705,109.535 173.41,108.83 173.41,105.92 175.8,103.53 175.8,100.52 177.41,98.91 195.85,98.91 196.38,99.44 196.38,111.92 195.87,112.43 J16.7
NetR7_2: R7.2 R8.2 U3.11 | length 18.4
  Top Layer w0.6: R8.2 84.099,60.96 91.059,60.96 92.177,62.078 R7.2 89.684,65.231 89.684,68.418 U3.11
"RIGHT MOTOR ENABLE-1": J2.3 U1.49 | length 129.9
  Top Layer w0.4: J2.3 28.648,92.51 32.15,96.012 33.909,96.012 42.418,104.521 v1@48.387,104.521
  Bottom Layer w0.4: v1(48.514,104.648) 91.821,104.648 112.141,104.775 125.476,104.775 127.381,102.87 127.381,99.822 128.66,98.543 U1.49
"RIGHT MOTOR ENABLE-2": J2.2 U1.50 | length 128.4
  Top Layer w0.4: J2.2 29.645,95.05 40.513,105.918 v1(46.228,105.918) v1@46.101,106.045
  Bottom Layer w0.4: v1(46.228,105.918) 46.609,105.537 125.984,105.537 128.66,102.861 U1.50
"RIGHT MOTOR_PWM": J2.4 U1.41 | length 120.8
  Top Layer w0.4: J2.4 29.664,89.97 43.326,103.632 v1(46.99,103.632)
  Bottom Layer w0.4: v1(46.99,103.632) 111.633,103.632 115.443,99.822 119.748,99.822 U1.41
SERVO_HEAD: J7.3 U1.54 | length 188.7
  Top Layer w0.4: J7.3 13.005,42.545 95.123,42.545 106.553,53.975 106.553,104.013 109.728,107.188 132.207,107.188 133.74,105.655 U1.54
SERVO_LEFT: J10.3 U1.52 | length 198.5
  Top Layer w0.4: J10.3 14.836,8.74 18.034,11.938 18.034,18.034 41.729,41.729 95.704,41.729 107.696,53.721 107.696,103.632 110.236,106.172 126.098,106.172 U1.52
SERVO_RIGHT: J3.3 U1.53 | length 193.5
  Bottom Layer w0.4: J3.3 2.921,110.929 2.921,133.477 17.78,148.336 55.118,148.336 60.071,143.383 60.071,136.271 89.916,106.426 129.159,106.426 132.461,103.124 132.461,99.809 U1.53
VCC24_POWER: DC2.0 J11.2 J13.1 J14.1 | length 311.8
  Top Layer w1: 105.664,131.953 v2(106.553,131.064)
  Top Layer w3: J13.1@82.804,123.444 J13.1 98.35,123.444 98.35,122.94 ; 84.328,50.546 J14.1 89.456,50.546 97.409,58.499 97.409,121.999 98.35,122.94 ; 105.664,140.462 J11.2 105.664,131.953 105.664,130.254 98.35,122.94
  Bottom Layer w1: 108.41,112.421 106.553,114.277 v2(106.553,131.064) v2(108.839,131.064) ; 108.76,112.07 111.356,109.474 162.814,109.474 168.783,103.505 168.783,50.433 162.814,44.464 162.814,36.195 151.892,25.273 151.892,12.446 155.629,8.709 DC2.0
VCC_3.3V_1: C12.1 J15.10 U3.2 U4.2 | length 223.5
  Top Layer w0.6: v2(7.366,120.65) 8.382,119.634 8.382,119.126 ; U4.2@8.382,117.348 8.382,119.126 ; C12.1@11.128,131.572 11.128,121.872 8.382,119.126
  Top Layer w1: v2(30.48,99.06) 35.56,104.14 v2(36.703,104.14)
  Bottom Layer w1: v2(7.366,120.65) 14.478,120.65 17.78,117.348 17.78,104.394 21.082,101.092 28.448,101.092 v2(30.48,99.06) 15.34,99.06 13.84,97.56 13.84,63.48 13.32,62.96 J15.10 ; v2(36.703,104.14) 36.703,82.931 42.672,76.962 42.672,63.754 43.434,62.992 57.531,62.992 80.137,85.598 86.47,85.598 89.687,82.381 U3.2
VCC_3.3V_2: C11.1 J16.10 U2.16 U5.2 | length 79.3
  Top Layer w0.6: C11.1@175.006,92.25 175.05,92.294 176.99,94.234 U5.2 ; U2.16 187.655,114.615 J16.10 188.01,117.9 188.85,118.74 197.84,118.74 198.29,118.29 198.29,98.38 v2(196.47,96.56)
  Top Layer w0.8: C11.1@175.05,92.294 v2(175.05,95.25)
  Bottom Layer w0.6: v2(175.05,95.25) 195.71,95.25 196.47,96.01 v2(196.47,96.56)
VCC_5V: Blue1.2 C4.1 C5.1 C6.1 C10.2 D9.2 D10.2 J3.2 J5.2 J7.2 J9.2 J10.2 L2.2 R1.2 R4.2 U1.109 U1.110 U4.3 U5.3 U*1.16 | length 738.3
  Top Layer w0.4: Blue1.2 83.693,4.826 84.074,4.445 v1(95.885,4.445)
  Top Layer w0.6: v2(3,19.89) 2.22,20.67 2.22,49.29 2.73,49.8 J7.2 ; J10.2 6.04,11.28 4.85,10.09 4.85,3.28 6.12,2.01 22.606,2.01 ; J3.2 10.13,108.38 v2(12.76,111.01) 14.72,111.01 15.24,110.49 15.24,103.886 18.796,100.33 28.702,100.33 34.417,106.045 v2(34.417,106.553) 33.782,107.188 U*1.16 36.671,109.645 C10.2 ; v2(12.76,114.43) 12.76,115.242 10.668,117.334 10.682,117.348 12.928,117.348 13.55,117.97 13.55,127.95 17.91,132.31 R1.2@17.91,143.21 ; R4.2 22.165,2.451 22.606,2.01 ; v2(90.8,34.13) 90.8,33.57 91.66,32.71 97.11,32.71 99.47,30.35 99.47,20.08 97.26,17.87 97.26,4.826 ; v1(95.885,4.445) 96.879,4.445 97.26,4.826 ; 22.606,2.01 96.86,2.01 97.26,2.41 97.26,4.826
  Top Layer w0.8: J9.2 16.08,25.56 17.22,24.42 17.22,19.24 16.37,18.39 1.69,18.39 1.1,18.98 1.1,81.04 2.92,82.86 J5.2 ; v2(34.065,75.093) 41.529,75.093 43.561,77.125 v2(43.561,80.391) ; U1.109 U1.110 161.16,52.81 161.94,52.03 161.94,42.804 161.3,42.164
  Top Layer w1: v2(93.726,37.973) 93.726,38.227 C6.1 104.822,41.957 116.999,41.957 119.253,39.703 120.168,40.618 131.055,40.618 L2.2 135.732,37.688 140.208,42.164 161.3,42.164 168.148,42.164 181.61,55.626 U5.3
  Bottom Layer w0.6: v2(3,19.89) 3,11.83 3.55,11.28 J10.2 ; v2(12.76,111.01) v2(12.76,114.43) ; 23.425,75.055 34.027,75.055 v2(34.065,75.093) ; v2(34.417,106.553) v2@34.544,106.426
  Bottom Layer w0.8: J5.2 16.27,82.21 23.425,75.055 ; v2(34.417,106.553) 37.607,106.553 39.45,104.71 39.45,84.07 43.129,80.391 v2(43.561,80.391) ; v2(90.8,34.13) 92.55,34.13 93.726,35.306 v2(93.726,37.973)
  Bottom Layer w1: v2@34.544,106.426 34.544,82.169 40.64,76.073 40.64,62.738 65.405,37.973 v2(93.726,37.973)
VCC_12V: C1.1 C2.1 C3.1 D7.2 D8.2 J12.1 L1.2 | length 89.8
  Top Layer w1: L1.2 153.989,19.239 159.258,13.97 170.608,13.97 171.577,14.939 ; C1.1@175.561,18.923 171.577,14.939 ; C1.1@175.641,18.796 175.641,16.002 179.578,12.065 188.341,12.065 189.738,13.462 189.716,13.484 D8.2 ; J12.1@181.864,5.588 181.102,6.35 172.926,6.35 171.577,7.699 C3.1 171.577,14.939
VCC_24V: D5.2 D6.2 DC1.0 J11.1 relay1.5 relay2.5 | length 154
  Top Layer w0.6: D5.2 111.147,123.571 D6.2 120.904,128.143 125.603,128.143
  Top Layer w2: J11.1 120.523,137.668 ; 120.269,136.398 120.523,136.652
  Top Layer w5: relay2.5 125.603,128.143 120.523,133.223 120.523,140.589 125.603,145.669 relay1.5
  Bottom Layer w1: relay2.5 134.62,123.444 134.62,118.15 140.33,112.44 163.404,112.44 171.323,104.521 171.323,82.931 175.006,79.248 185.42,79.248 189.203,83.031 DC1.0@189.203,85.827
pads on no net: Blue1.1 relay1.4 relay2.4 U1.1 U1.2 U1.3 U1.4 U1.7 U1.8 U1.9 U1.10 U1.12 U1.13 U1.14 U1.15 U1.16 U1.17 U1.18 U1.19 U1.22 U1.23 U1.24 U1.25 U1.26 U1.27 U1.28 U1.29 U1.31 U1.32 U1.33 U1.34 U1.37 U1.38 U1.39 U1.42 U1.43 U1.44 U1.45 U1.46 U1.51 U1.55 U1.56 U1.57 U1.58 U1.59 U1.60 U1.61 U1.62 U1.65 U1.66 U1.67 U1.68 U1.69 U1.70 U1.71 U1.72 U1.73 U1.75 U1.77 U1.78 U1.79 U1.81 U1.82 U1.83 U1.86 U1.87 U1.96 U1.97 U1.99 U1.100 U1.101 U1.103 U1.104 U1.105 U1.106 U1.107 U1.108 U1.115 U1.116 U1.117 U1.118 U1.119 U1.120 U1.121 U1.122 U1.123 U1.124 U1.125 U1.126 U3.1 U3.5 U3.6 U3.7 U3.12 U4.5 U5.5 U*1.7 U*1.8 U*1.9 U*1.10

## Polygon pours and split planes (outlines as drawn)
no net on Keep-Out Layer "NONET_L-01_P-001" (solid): 69.828,67.74 ccw(c71.3,67.74) 71.3,66.268 ccw(c71.3,67.74) 72.772,67.74 ccw(c71.3,67.74) 71.3,69.212 ccw(c71.3,67.74)
no net on Keep-Out Layer "NONET_L-01_P-001" (solid): 23.07,66.325 cw(c23.07,67.74) 21.655,67.74 cw(c23.07,67.74) 23.07,69.155 cw(c23.07,67.74) 24.485,67.74 cw(c23.07,67.74)
no net on Keep-Out Layer "NONET_L-01_P-001" (solid): 15,133.527 cw(c15,135) 13.527,135 cw(c15,135) 15,136.473 cw(c15,135) 16.473,135 cw(c15,135)
no net on Keep-Out Layer "NONET_L-01_P-001" (solid): 23.04,131.054 cw(c23.04,132.46) 21.634,132.46 cw(c23.04,132.46) 23.04,133.866 cw(c23.04,132.46) 24.446,132.46 cw(c23.04,132.46)
no net on Keep-Out Layer "NONET_L-01_P-001" (solid): 71.27,131.04 cw(c71.27,132.46) 69.85,132.46 cw(c71.27,132.46) 71.27,133.88 cw(c71.27,132.46) 72.69,132.46 cw(c71.27,132.46)
no net on Keep-Out Layer "NONET_L-01_P-001" (solid): 71.27,82.788 cw(c71.27,84.23) 69.828,84.23 cw(c71.27,84.23) 71.27,85.672 cw(c71.27,84.23) 72.712,84.23 cw(c71.27,84.23)
no net on Keep-Out Layer "NONET_L-01_P-001" (solid): 23.04,82.783 cw(c23.04,84.23) 21.593,84.23 cw(c23.04,84.23) 23.04,85.677 cw(c23.04,84.23) 24.487,84.23 cw(c23.04,84.23)
no net on Keep-Out Layer "NONET_L-01_P-001" (solid): 21.631,19.51 ccw(c23.07,19.51) 23.07,18.071 ccw(c23.07,19.51) 24.509,19.51 ccw(c23.07,19.51) 23.07,20.949 ccw(c23.07,19.51)
no net on Keep-Out Layer "NONET_L-01_P-001" (solid): 69.842,19.51 ccw(c71.3,19.51) 71.3,18.052 ccw(c71.3,19.51) 72.758,19.51 ccw(c71.3,19.51) 71.3,20.968 ccw(c71.3,19.51)
no net on Keep-Out Layer "NONET_L-01_P-001" (solid): 15,13.486 cw(c15,15) 13.486,15 cw(c15,15) 15,16.514 cw(c15,15) 16.514,15 cw(c15,15)
no net on Keep-Out Layer "NONET_L-01_P-001" (solid): 183.522,135 ccw(c185,135) 185,133.522 ccw(c185,135) 186.478,135 ccw(c185,135) 185,136.478 ccw(c185,135)
no net on Keep-Out Layer "NONET_L-01_P-001" (solid): 183.419,15 ccw(c185,15) 185,13.419 ccw(c185,15) 186.581,15 ccw(c185,15) 185,16.581 ccw(c185,15)
GND_5V on Bottom Layer "NONET_L02_P018" (hatched 90Degree grid 0.508 track 0.2, shelved, pour order 18): 0,149.987 199.898,149.987 199.898,0 0,0
GND_5V on Top Layer "NONET_L01_P020" (hatched 90Degree grid 0.508 track 0.203, shelved, pour order 20): 0,0 199.898,0 199.898,149.987 0,149.987

## Keep-outs
Keep-Out Layer:
  circle w0.254: c71.27,132.46 r1.42
  circle w0.254: c23.04,132.46 r1.406
  circle w0.254: c23.04,84.23 r1.447
  circle w0.254: c71.27,84.23 r1.442
  circle w0.254: c71.3,67.74 r1.472
  circle w0.254: c23.07,19.51 r1.439
  circle w0.254: c71.3,19.51 r1.458
  circle w0.254: c15,135 r1.473
  circle w0.254: c15,15 r1.514
  circle w0.254: c185,15 r1.581
  circle w0.254: c185,135 r1.478
  circle w0.254: c23.07,67.74 r1.415
  lines w0.254: 0,0 0,149.987 199.898,149.987 199.898,0 0,0

## Other copper
Top Layer:
  region net VCC_24V: 114.046,139.192 118.364,139.192 118.364,136.144 114.046,136.144
  region net GND: 78.232,58.674 78.232,48.514 72.39,54.356 73.406,55.372 73.406,62.992 73.914,62.992
  region net GND: 76.65,132.56 73.03,128.94 73.06,128.91 82.09,128.91 83.08,129.9 83.08,132.56
  region net VCC24_POWER: 109.34,131.95 109.65,131.67 109.65,131.19 109.65,130.71 109.19,130.25 105.81,130.25 105.81,131.47 106.29,131.95
  region net GND: 77.79,83.6 77.79,66.8 76.85,65.86 73.24,75.04 74.32,79.71
  region net GND: 77.79,66.8 80.04,64.55 80.04,59.65 79.34,59.65 74.98,64.01 77.77,66.8
  region net GND: 80.04,59.85 80.23,59.65 80.04,59.65
  region net GND: 77.79,85.5 77.79,126.27 77.69,126.37 74.46,126.37 73.53,125.44 73.53,89.6 77.57,85.56
  region net GND: 78.09,126.27 77.78,125.96 77.78,126.26 77.79,126.27
  pour cut-out: 181.737,147.637 197.739,147.637 197.739,126.301 181.864,126.301 181.737,126.428
  pour cut-out: 103.378,140.97 103.378,134.366 109.22,134.366 115.062,134.366 115.062,137.668 115.062,140.97
  pour cut-out: 81.28,121.412 88.9,121.412 88.9,133.096 81.28,133.096
  pour cut-out: 180.34,8.89 191.389,8.89 191.389,2.54 180.34,2.54
  pour cut-out: 144.78,39.37 156.21,39.37 156.21,32.385 144.78,32.385
  pour cut-out: 163.766,39.37 163.766,32.385 168.212,32.385 168.212,39.37
  pour cut-out: 133.51,39.497 133.51,32.512 137.955,32.512 137.955,39.497
  pour cut-out: 83.566,48.514 91.44,48.514 91.44,60.325 83.566,60.325
Bottom Layer:
  region net VCC24_POWER: 109.34,131.95 109.65,131.67 109.65,131.19 109.65,130.71 109.19,130.25 105.72,130.25 105.72,131.47 106.29,131.95

## Silkscreen, mask and mechanical layers (free items; w line width, h text height)
Top Overlay:
  lines w0.2: 19.33,79.32 75.845,79.32 ; 19.685,14.605 76.2,14.605
  lines w0.254: 19.33,79.32 19.33,135.835 75.845,135.835 75.845,79.32 ; 19.685,14.605 19.685,71.12 76.2,71.12 76.2,14.605
  text "-" at 87.85,133.42 h1.52
  text "+" at 87.69,126.07 h1.52
  text "JY901" at 96.393,71.247 h1.52 r90
  text "+" at 85.725,52.324 h1.52
  text "EN" at 79.756,10.795 h1.52
  text "V" at 83.185,10.795 h1.52
  text "G" at 85.725,10.795 h1.52
  text "R" at 88.519,10.795 h1.52
  text "T" at 90.932,10.795 h1.52
  text "12V" at 183.642,6.35 h1.52
  text "+ -" at 183.642,3.556 h1.52
  text "ZUCC Debug406 AutoCar 2018" at 43.307,1.651 h3

## Text inside footprints (layer, text, board x,y; h text height)
DC1: Top Overlay "OUT-" at 175.365,35.05 h2 r270; Top Overlay "OUT+" at 187.865,35.05 h2 r270; Top Overlay "IN-" at 175.365,83.375 h2 r270; Top Overlay "IN+" at 187.865,83.375 h2 r270
DC2: Top Overlay "OUT-" at 109.185,22.284 h2 r180; Top Overlay "OUT+" at 109.185,9.784 h2 r180; Top Overlay "IN-" at 157.51,22.284 h2 r180; Top Overlay "IN+" at 157.51,9.784 h2 r180
J1: Top Overlay "+" at 197.318,132.833 h8 r90; Top Overlay "-" at 196.718,137.833 h8 r90; Top Overlay "24v" at 192.278,133.477 h5 r90
U3: Top Overlay "VCC" at 89.204,79.597 h0.89 r270; Top Overlay "VCC" at 89.204,72.231 h0.89 r270; Top Overlay "GND" at 81.584,79.597 h0.89 r270; Top Overlay "GND" at 81.584,72.231 h0.89 r270; Top Overlay "RX" at 86.664,79.343 h0.89 r270; Top Overlay "TX" at 84.124,79.343 h0.89 r270; Top Overlay "SDA" at 84.124,72.231 h0.89 r270; Top Overlay "SCL" at 86.664,72.231 h0.89 r270; Top Overlay "D0" at 91.744,79.597 h0.89 r270; Top Overlay "D1" at 79.044,79.343 h0.89 r270; Top Overlay "D2" at 91.744,72.231 h0.89 r270; Top Overlay "D3" at 79.044,71.977 h0.89 r270